# Altium PCB node24.PcbDoc (part 9 of 10) (continued)
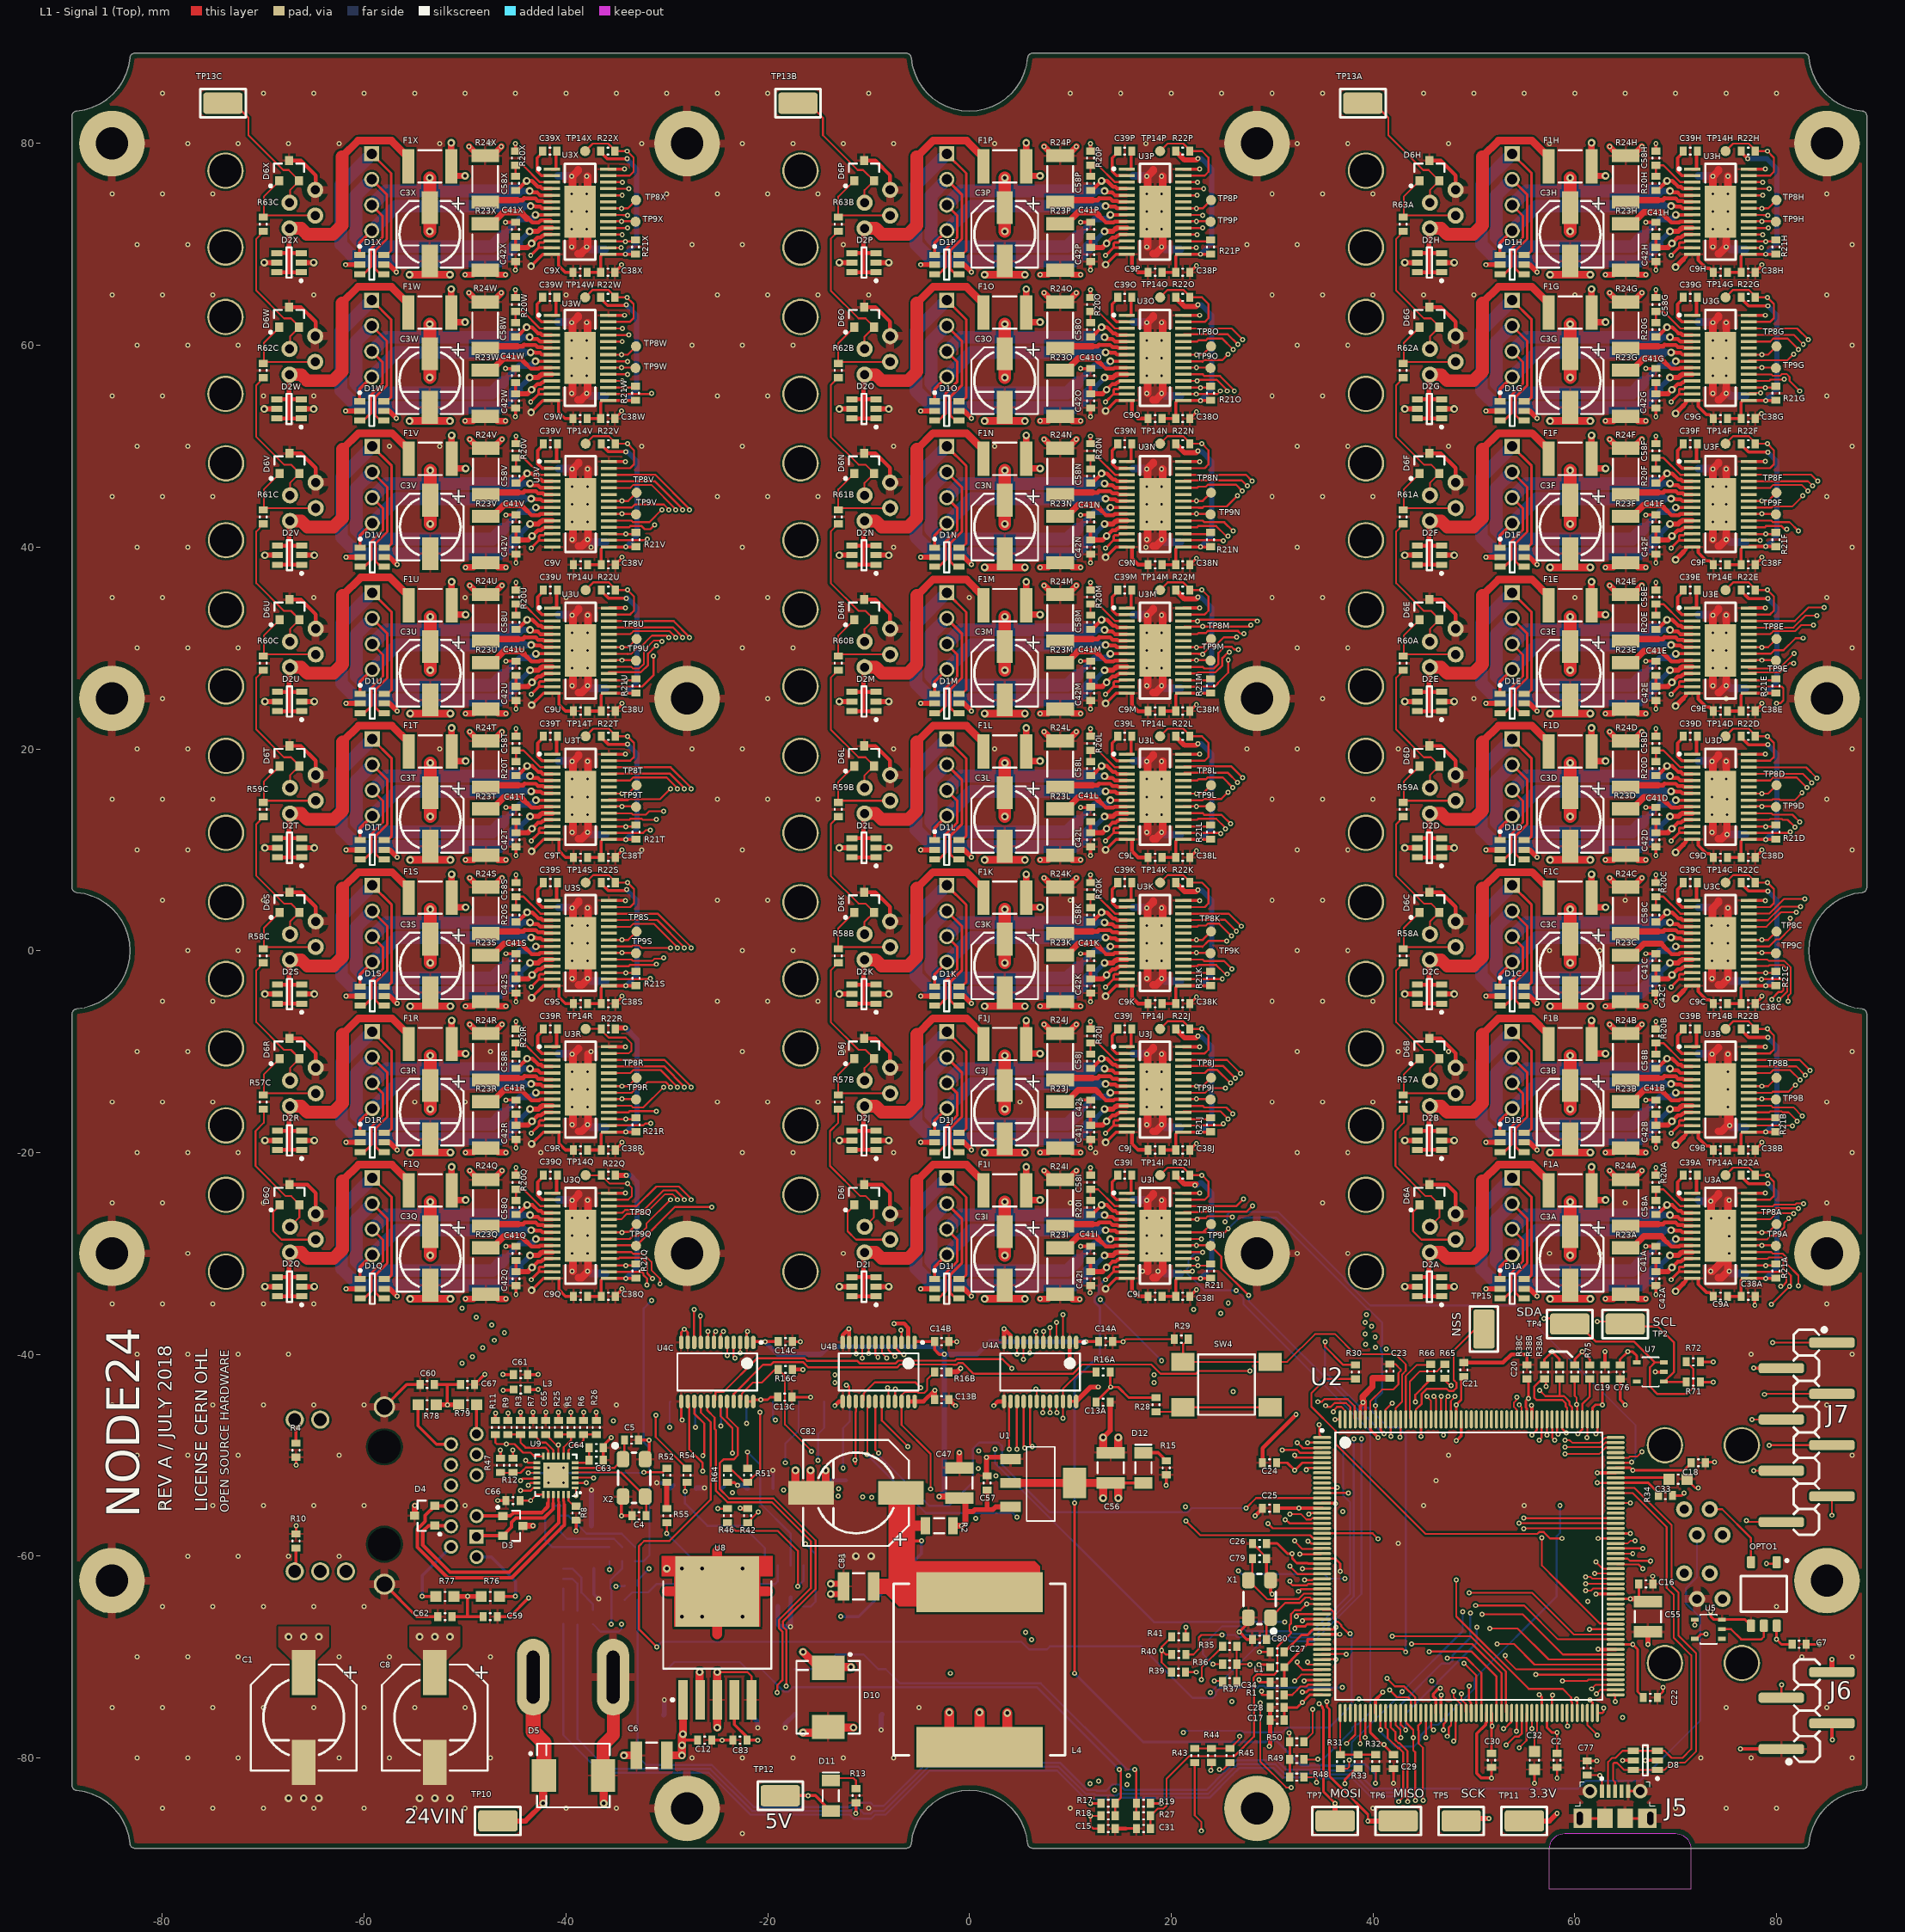
[diagram p0: L1 - Signal 1 (Top) view]
## Nets (pads, with @x,y where several pads share a name; then routed paths per layer and width w, separated by ;. In a path a pad name is that pad's centre, name@x,y a point inside that pad or via, vN(x,y) a via of type N, cw(c..) or ccw(c..) an arc to the next point about the centre after c; other vN are vias at no path point) (continued)
NetD6S_2: D6S.2 J1S.3 R59C.1 | length 14.5
  L1 - Signal 1 (Top) w0.18: R59C.1@-69.95,13.3 -70.7,12.55 -70.7,7.425 -67.95,4.675 -67.25,4.675 D6S.2@-66.42,3.845 ; J1S.3@-67.35,1.635 -67.35,2.87 D6S.2@-66.42,3.8
NetD6T_2: D6T.2 J1T.3 R60C.1 | length 14.5
  L1 - Signal 1 (Top) w0.18: R60C.1@-69.95,27.8 -70.7,27.05 -70.7,21.925 -67.95,19.175 -67.25,19.175 D6T.2@-66.42,18.345 ; J1T.3@-67.35,16.135 -67.35,17.37 D6T.2@-66.42,18.3
NetD6U_2: D6U.2 J1U.3 R61C.1 | length 14.5
  L1 - Signal 1 (Top) w0.18: R61C.1@-69.95,42.3 -70.7,41.55 -70.7,36.425 -67.95,33.675 -67.25,33.675 D6U.2@-66.42,32.845 ; J1U.3@-67.35,30.635 -67.35,31.87 D6U.2@-66.42,32.8
NetD6V_2: D6V.2 J1V.3 R62C.1 | length 14.5
  L1 - Signal 1 (Top) w0.18: R62C.1@-69.95,56.8 -70.7,56.05 -70.7,50.925 -67.95,48.175 -67.25,48.175 D6V.2@-66.42,47.345 ; J1V.3@-67.35,45.135 -67.35,46.37 D6V.2@-66.42,47.3
NetD6W_2: D6W.2 J1W.3 R63C.1 | length 14.5
  L1 - Signal 1 (Top) w0.18: R63C.1@-69.95,71.3 -70.7,70.55 -70.7,65.425 -67.95,62.675 -67.25,62.675 -66.42,61.845 -66.42,61.8 -67.35,60.87 J1W.3@-67.35,59.635
NetD6X_2: D6X.2 J1X.3 TP13C.1 | length 14.3
  L1 - Signal 1 (Top) w0.18: TP13C.1@-73.95,84 -72.925,84 -71.475,82.55 -71.475,80.825 -68.025,77.375 -67.495,77.375 -66.42,76.3 -67.35,75.37 J1X.3@-67.35,74.135
NetD11_2: D11.2 R13.1 | length 3.5
  L1 - Signal 1 (Top) w0.203: D11.2@-13.75,-82.25 -13.5,-82 -11.5,-82 -11.25,-82.25 R13.1@-11.25,-83.05
NetD12_2: D12.2 R15.2 | length 2.6
  L1 - Signal 1 (Top) w0.3: D12.2@17.25,-49.75 18.7,-49.75 R15.2@19.5,-50.55
NetJ2_1: J2.1 R42.1 | length 15.1
  L1 - Signal 1 (Top) w0.203: R42.1@-22,-56.7 -22,-56.671 v1(-20.955,-55.626)
  L2 - Signal 2 w0.203: v1(-20.955,-55.626) -17.78,-58.801 v1(-16.256,-58.801)
  L6 - Signal 4 (Bot) w0.203: J2.1@-16.46,-65 -15.75,-65 -15.25,-64.5 -15.25,-59.807 v1(-16.256,-58.801)
NetJ2_2: J2.2 R46.2 | length 13.9
  L1 - Signal 1 (Top) w0.203: R46.2@-24,-56.7 -23.2,-57.5 -19,-57.5 -17,-59.5 v1(-17,-63)
  L6 - Signal 4 (Bot) w0.203: v1(-17,-63) -16.46,-62.46 J2.2@-16.46,-60.936
NetJ2_4: J2.4 R51.2 | length 14.6
  L1 - Signal 1 (Top) w0.203: R51.2@-22,-51.3 v1(-22,-49.686)
  L6 - Signal 4 (Bot) w0.203: v1(-22,-49.686) -20.75,-50.936 -20.75,-54.75 -17.73,-57.77 J2.4@-17.73,-60.936
NetJ2_6: J2.6 R53.2 | length 17.5
  L6 - Signal 4 (Bot) w0.203: R53.2@-34.163,-64.327 -33.436,-63.6 -31.854,-63.6 -31.004,-62.75 -19.249,-62.75 -19,-62.501 J2.6@-19,-60.936
NetJ2_8: J2.8 R54.2 | length 13.6
  L1 - Signal 1 (Top) w0.203: v1(-28.194,-53.594) -28.194,-52.894 R54.2@-28,-52.7
  L6 - Signal 4 (Bot) w0.203: v1(-28.194,-53.594) -28.194,-54.786 -25.98,-57 -22.5,-57 -20.27,-59.23 J2.8@-20.27,-60.936
NetJ2_10: J2.10 R55.2 | length 11.1
  L1 - Signal 1 (Top) w0.203: v1(-30,-57.75) R55.2@-30,-56.7 R55.2@-29.972,-56.728
  L6 - Signal 4 (Bot) w0.203: v1(-30,-57.75) -27.5,-60.25 -21.792,-60.25 -21.54,-60.502 J2.10@-21.54,-60.936
NetJ4_2: J4.2 R76.2 | length 8
  L1 - Signal 1 (Top) w0.3: R76.2@-46.6,-64 v1(-45,-64)
  L6 - Signal 4 (Bot) w0.3: J4.2@-48.856,-60.096 -47.404,-60.096 -45,-62.5 v1(-45,-64)
NetJ4_5: J4.5 R77.2 | length 7.5
  L1 - Signal 1 (Top) w0.3: v1(-54.25,-64) R77.2@-52.9,-64
  L6 - Signal 4 (Bot) w0.3: v1(-54.25,-64) -54.25,-61.934 J4.5@-51.396,-59.08
NetJ4_8: J4.8 R78.2 | length 6.1
  L1 - Signal 1 (Top) w0.3: R78.2@-54.65,-45 -54.65,-47.1 -52.83,-48.92 J4.8@-51.396,-48.92
NetJ4_11: J4.11 R79.2 | length 2.9
  L1 - Signal 1 (Top) w0.3: J4.11@-48.856,-47.904 -48.85,-47.898 R79.2@-48.85,-45
NetJ4_14: J4.14 R4.2 | length 2.4
  L1 - Signal 1 (Top) w0.3: J4.14@-66.89,-46.482 -66.75,-46.622 R4.2@-66.75,-48.8
NetJ4_17: J4.17 R10.2 | length 2.4
  L1 - Signal 1 (Top) w0.3: J4.17@-66.908,-61.5 J4.17@-66.89,-61.518 -66.75,-61.378 R10.2@-66.75,-59.2
NetJ6_3: J6.3 R65.2 | length 59.3
  L1 - Signal 1 (Top) w0.2: R65.2@47.262,-42.712 47.653,-43.103 v1(47.75,-43.103) ; J6.3@80.48,-74.04 80.48,-72.77 v1(80.5,-72.75)
  L2 - Signal 2 w0.2: v1(47,-48) 51.462,-48 57.37,-53.908 57.37,-58.658 58.592,-59.88 62.16,-59.88 67.149,-64.87 71.212,-64.87 72.277,-65.935 72.279,-65.935 72.378,-66.034 73.072,-66.034 75.177,-68.139 77.584,-68.139 79.026,-69.581 79.026,-71.276 v1(80.5,-72.75) ; v1(47.75,-43.103) v1@47.75,-43
  L5 - Signal 3 w0.2: v1(47,-48) 46.736,-48 43.662,-44.925 43.662,-44.483 45.041,-43.103 v1(47.75,-43.103)
NetJ6_4: J6.4 R66.2 | length 61.3
  L1 - Signal 1 (Top) w0.2: v1(44.196,-44.704) 44.196,-44.028 45.621,-42.603 R66.2@45.621,-42.45
  L1 - Signal 1 (Top) w0.5: J6.4@85.5,-71.5 v1(85.5,-70.25)
  L2 - Signal 2 w0.2: v1(44.196,-44.704) 44.704,-44.704 46,-46 50,-46 57.75,-53.75 57.75,-58.5 58.75,-59.5 62.318,-59.5 67.307,-64.489 70.149,-64.489 71.638,-63 80.5,-63 85.5,-68 v1(85.5,-70.25)
NetJ9_2: J9.2 R1.1 R30.1 | length 104.5
  L1 - Signal 1 (Top) w0.2: v1(28.956,-73.406) 28.956,-73.713 28.993,-73.75 R1.1@29.8,-73.75 ; R30.1@38.25,-42.45 35.3,-42.45 33.9,-43.85 33.9,-45.2 36.3,-47.6 36.3,-48.901 45.208,-57.809 56.291,-57.809 56.479,-57.621 56.926,-57.621 57.556,-58.25 v1(58.75,-58.25)
  L2 - Signal 2 w0.2: v1(28.956,-73.406) 29.337,-73.406 30.734,-72.009 31.875,-72.009 32.029,-71.856 33.394,-71.856 33.801,-72.263 40.337,-72.263 41.099,-71.501 41.801,-71.501 42.746,-72.446 45.791,-72.446 v1(45.847,-72.39) v1@45.735,-72.39 ; v1(58.75,-58.25) 59.62,-59.12 62.475,-59.12 67.464,-64.109 69.991,-64.109 72.39,-61.71 J9.2@73.39,-61.71
  L5 - Signal 3 w0.2: v1(45.847,-72.39) 47.371,-72.39 47.853,-72.872 48.735,-72.872 49.296,-73.432 49.751,-73.432 50.54,-72.644 58.245,-72.644 58.626,-73.025 59.039,-73.025 59.335,-72.729 59.335,-72.169 59.319,-72.153 59.319,-72.019 58.75,-71.45 v1(58.75,-58.25)
NetOPTO1_5: OPTO1.5 U5.2 | length 5.8
  L1 - Signal 1 (Top) w0.2: U5.2@74.6,-67.25 75.5,-67.25 76.5,-68.25 78.5,-68.25 78.75,-68 OPTO1.5@78.75,-66.9
NetR8_1: R8.1 U9.24 | length 1.6
  L1 - Signal 1 (Top) w0.2: U9.24@-39.75,-53.9 -39.75,-54.5 -39.2,-55.05 R8.1@-39,-55.05
NetR17_1: R17.1 R18.2 SW2.1 SW2.2 | length 55.1
  L1 - Signal 1 (Top) w0.203: R18.2@14.45,-85.75 R17.1@14.45,-84.5 14.986,-83.964 14.986,-81.28 v1(14.859,-81.153)
  L6 - Signal 4 (Bot) w0.203: SW2.2@-30.325,-71.25 -30,-71.25 -29.25,-70.5 -22.75,-70.5 -22,-71.25 SW2.1@-21.675,-71.25 -20.575,-71.25 -18.391,-73.434 -17.939,-73.434 -17.505,-73 6.706,-73 v1(14.859,-81.153)
NetR19_1: R19.1 R27.2 SW3.1 SW3.2 | length 43.7
  L1 - Signal 1 (Top) w0.203: v1(16.383,-81.153) 16.55,-81.32 R27.2@16.55,-85.75
  L6 - Signal 4 (Bot) w0.203: SW3.2@-17.325,-71.2 -14.7,-71.2 -13.25,-69.75 -10.5,-69.75 -9.05,-71.2 SW3.1@-8.675,-71.2 -8.3,-71.2 -6.884,-72.616 7.08,-72.616 15.617,-81.153 v1(16.383,-81.153)
NetR28_1: R28.1 SW4.3 SW4.4 | length 11.5
  L1 - Signal 1 (Top) w0.18: R28.1@18.5,-45.7 20.725,-45.7 SW4.3@21.175,-45.25 SW4.4@29.825,-45.25
nRST: C31.2 R27.1 R52.1 U2.34 U9.15 | length 137.8
  L1 - Signal 1 (Top) w0.2: v1(-43.75,-51.75) U9.15@-42.9,-51.75 ; v1(-32.258,-51.689) -30.389,-51.689 R52.1@-30,-51.3 ; C31.2@17.95,-87 R27.1@17.95,-85.75 18.666,-85.034 19.221,-85.034 19.534,-84.721 19.534,-82.069 21.778,-79.826 26.271,-79.826 28.216,-77.881 28.216,-72.532 28.168,-72.484 28.168,-72.042 28.481,-71.729 28.923,-71.729 28.964,-71.77 30.19,-71.77 30.537,-71.423 30.537,-68.966 31.887,-67.617 31.887,-67.567 31.724,-67.404 31.724,-66.835 31.887,-66.672 31.887,-65.746 32.263,-65.37 32.801,-65.37 v1(33.421,-64.75) 34.88,-64.75 U2.34@34.95,-64.82
  L2 - Signal 2 w0.2: v1(5.55,-67.575) 7.262,-67.575 10.087,-64.75 v1(33.421,-64.75)
  L5 - Signal 3 w0.2: v1(-43.75,-51.75) -43.715,-51.784 -37.75,-51.784 -37.681,-51.716 -36.784,-51.716 -36.5,-52 -36.5,-56.038 -35.547,-56.991 -30.535,-56.991 -30.379,-56.835 -29.377,-56.835 -28.53,-57.682 -18.101,-57.682 -17.161,-56.742 -15.351,-56.742 -15.101,-56.991 -8.533,-56.991 -8.531,-56.989 -7.648,-56.989 2.582,-67.219 5.194,-67.219 v1(5.55,-67.575)
  L6 - Signal 4 (Bot) w0.2: v1(-43.75,-51.75) -43.715,-51.784 -37.54,-51.784 -37.471,-51.716 -37.029,-51.716 -36.994,-51.75 -32.319,-51.75 v1(-32.258,-51.689)
P3V3: C2.1 C7.1 C13A.1 C13B.1 C13C.1 C16.1 C17.1 C18.1 C19.1 C20.1 C21.1 C22.1 C23.1 C24.1 C25.1 C26.1 C27.1 C28.1 C29.1 C30.1 C55.1 C56.1 C65.2 C76.1 D12.1 J6.2 L1.1 L3.1 OPTO1.6 R3.2 R11.1 R16A.2 R16B.2 R16C.2 R17.2 R19.2 R25.2 R26.2 R28.2 R34.2 R38A.2 R38B.2 R38C.2 R42.2 R47.2 R71.2 R72.2 R75.2 TP11.1 U1.2 U1.4 U2.6 U2.15 U2.26 U2.39 U2.52 U2.59 U2.73 U2.83 U2.94 U2.103 U2.115 U2.124 U2.137 U2.150 U2.158 U2.171 U2.185 U2.203 U2.204 U4A.23 U4A.24 U4B.23 U4B.24 U4C.23 U4C.24 U5.5 U7.4 U9.9 | length 160.4
  L1 - Signal 1 (Top) w0.2: C65.2@-42,-47.95 -40.95,-49 v1(-40.75,-49) U9.9@-40.75,-50.1 ; U2.171@55.191,-46.391 U2.171@55.25,-46.45 ; 55.191,-44.559 55.374,-44.376 v1(55.425,-44.376)
  L1 - Signal 1 (Top) w0.25: U4C.23@-22.075,-44.675 U4C.24@-21.425,-44.675 -21.25,-44.5 v1(-20.701,-44.5) -20,-44.5 -19.75,-44.25 C13C.1@-19,-44.25 ; v1(12,-84.5) R17.2@13.05,-84.5 ; C13A.1@12.55,-44.75 12.55,-44.7 v1(14,-43.25) ; R16A.2@13.95,-41.75 13.95,-43.2 v1(14,-43.25) ; R19.2@17.95,-84.5 v1(19,-84.5) ; R28.2@18.5,-44.3 15.8,-44.3 14.75,-43.25 v1(14,-43.25) ; v1(28.702,-70.739) 29.54,-70.739 L1.1@29.801,-71 ; C26.1@29.45,-58.75 30.508,-58.75 31.508,-59.75 v1(32,-59.75) 32,-60.242 32.448,-60.691 33.5,-60.691 33.559,-60.75 U2.26@34.95,-60.75 ; C24.1@30.45,-50.75 31.5,-50.75 v1(32.25,-51.5) 33,-50.75 U2.6@34.95,-50.75 ; C17.1@31.2,-76.25 C28.1@31.2,-75 32.5,-75 v1(33,-74.5) 33.75,-73.75 U2.52@34.95,-73.75 ; C27.1@31.2,-69.5 31.24,-69.5 32.922,-67.818 33.528,-67.818 33.745,-67.601 33.745,-67.561 34.011,-67.295 34.051,-67.295 34.096,-67.25 U2.39@34.95,-67.25 36.255,-67.25 36.322,-67.183 v1(36.322,-67.056) ; U2.59@39.75,-75.55 39.75,-77.5 40.95,-78.7 v1(41.1,-78.7) 41.1,-78.741 C29.1@42.036,-79.677 ; U2.185@48.25,-46.45 v1(48.25,-45) 48.75,-44.5 C21.1@48.75,-42.45 ; C30.1@51.75,-79.55 51.75,-76.725 51.816,-76.791 v1(51.816,-76.835) ; 55.191,-44.559 55.166,-44.584 55.166,-45.282 55.25,-45.366 U2.171@55.25,-46.346 ; C20.1@55.25,-42.45 55.425,-42.625 v1(55.425,-44.376) ; R38C.2@57,-41.05 57,-40.5 v1(57.75,-39.75) 58.5,-40.5 R38B.2@58.5,-41.05 ; U2.94@57.25,-75.55 57.25,-77 57.75,-77.5 v1(58.25,-77.5) C2.1@58.25,-79.55 ; R38A.2@60,-41.05 60,-40.5 v1(60.75,-39.75) 61.5,-40.5 R75.2@61.5,-41.05 ; v1(61.513,-74.237) 61.513,-74.263 61.75,-74.5 U2.103@61.75,-75.55 ; U2.158@61.75,-46.45 61.75,-45.311 62.061,-45 v1(62.75,-45) 62.75,-42.7 C19.1@63,-42.45 ; U2.115@64.05,-68.75 v1(65.75,-68.75) 66.25,-69.25 66.25,-73.45 C22.1@66.8,-74 ; U2.124@64.05,-64.25 v1(65.5,-64.25) 65.75,-64.25 C55.1@66.35,-64.25 ; U2.137@64.05,-57.75 v1(65.5,-57.75) ; U2.150@64.05,-51.25 65.5,-51.25 v1(65.75,-51.5) 66.5,-51.5 ; C76.1@64.5,-41.05 64.5,-40.5 v1(65.25,-39.75) 65.75,-39.75 66.15,-40.15 U7.4@66.15,-40.8 ; C16.1@66.35,-62.75 C55.1@66.35,-64.25 ; C55.1@66.75,-64.25 C55.1@66.35,-64.25 ; C55.1@67.25,-64.5 66.5,-64.5 66.35,-64.35 C55.1@66.35,-64.25 ; U5.5@71.9,-68.2 72.05,-68.2 72.5,-67.75 v1(73,-67.75) ; R71.2@72.45,-42.75 v1(73.75,-42.75) ; R72.2@72.45,-40.75 v1(73.75,-40.75) ; OPTO1.6@80.02,-66.9 80.02,-68.23 v1(80,-68.25) 80.5,-68.75 C7.1@81.55,-68.75
  L1 - Signal 1 (Top) w0.254: 66.5,-51.5 70.8,-51.5 C18.1@71.3,-51 ; R34.2@69.7,-54 70.6,-54 v1(70.85,-53.75)
  L1 - Signal 1 (Top) w0.3: R11.1@-47,-46.55 -46.99,-46.54 v1(-46.99,-45.847) ; R47.2@-46.5,-50.3 v1(-46.5,-49.5) ; R3.2@-44.5,-46.55 v1(-44.5,-45.75) ; L3.1@-43.801,-43.5 v1(-42.75,-43.5) ; R25.2@-40.75,-46.55 v1(-40.75,-45.75) ; R26.2@-37,-46.55 v1(-37,-45.75) ; U4A.23@9.925,-44.675 U4A.24@10.575,-44.675 ; C56.1@14,-52.75 D12.1@17.25,-52.75
  L1 - Signal 1 (Top) w0.33: C25.1@30.45,-55.25 v1@32.7,-55.25 ; v1(32.677,-55.253) 32.697,-55.253 v1@32.7,-55.25 ; U2.15@34.95,-55.25 v1@32.7,-55.25 ; U2.204@38.75,-46.45 38.75,-45.15 39.25,-44.65 ; 39,-44.4 39.25,-44.65 ; U2.203@39.25,-46.45 39.25,-44.65 ; U2.73@46.75,-75.55 v1(46.75,-73.8) ; U2.83@51.75,-75.55 51.75,-76.725 51.75,-76.769 v1(51.816,-76.835) ; J6.2@85.5,-76.58 85.5,-78.15 v1(85.55,-78.2)
  L1 - Signal 1 (Top) w0.4: v1(-22.733,-55.245) -22.678,-55.3 R42.2@-22,-55.3 ; R16C.2@-17.55,-41.5 -16.539,-41.5 v1(-16.51,-41.529) ; U4B.23@-6.075,-44.675 U4B.24@-5.425,-44.675 -4.543,-44.675 v1@-3.45,-43.582
  L1 - Signal 1 (Top) w0.5: C13B.1@-3.45,-44.5 v1@-3.45,-43.582 ; R16B.2@-2.05,-41.75 -1.237,-41.75 v1(-0.889,-41.402) ; U4A.24@10.575,-44.675 12,-43.25 v1(12.75,-43.25) ; TP11.1@55,-86.25 57.5,-86.25 v1(58.25,-85.5)
  L1 - Signal 1 (Top) w0.635: 39,-44.4 39,-44.175 39.95,-43.225 39.95,-42.375 C23.1@41.689,-42.375
  L1 - Signal 1 (Top) w0.8: U1.2@4.075,-52.75 U1.4@10.425,-52.75 C56.1@14,-52.75 ; v2(13.25,-54.25) C56.1@13.25,-53.25 ; v2(14.75,-54.25) C56.1@14.75,-53.25
  other v1: -3.429,-43.561
  other v3: 39,-44.75
P3V3-L-ETH: C59.2 C60.2 C61.1 C62.2 C66.2 C67.2 L3.2 R76.1 R77.1 R78.1 R79.1 U9.1 U9.19 | length 24.9
  L1 - Signal 1 (Top) w0.2: C66.2@-44.55,-54.5 v1(-43.5,-54.5) -42.9,-53.9 U9.19@-42.25,-53.9 ; v1@-39.1,-53.9 v1(-39,-54) -39,-53.35 U9.1@-39.1,-53.25
  L1 - Signal 1 (Top) w0.3: C60.2@-53.05,-43 -51.75,-43 ; v1(-51.75,-45) -51.75,-43 ; C62.2@-51.3,-66 -49.75,-66 ; C67.2@-50.45,-43 -51.75,-43 ; v1(-49.75,-64) -49.75,-66 ; C59.2@-48.2,-66 -49.25,-66 -49.75,-66 ; v1(-46.25,-42) C61.1@-45.2,-42 ; v1(-46.228,-43.561) -45.26,-43.561 L3.2@-45.198,-43.5
  L1 - Signal 1 (Top) w0.5: R78.1@-52.85,-45 v1(-51.75,-45) R79.1@-50.65,-45 ; R77.1@-51.1,-64 v1(-49.75,-64) R76.1@-48.4,-64
  L5 - Signal 3 w0.3: v1(-43.5,-54.5) -39.5,-54.5 v1(-39,-54)
P5V0: C14A.1 C14B.1 C14C.1 C47.1 C57.1 R2.2 U1.3 U4A.1 U4B.1 U4C.1 | length 69.1
  L1 - Signal 1 (Top) w0.3: U4C.1@-21.425,-38.825 -21.35,-38.75 v1(-20.25,-38.75) C14C.1@-18.95,-38.75 ; U4B.1@-5.425,-38.825 -5.35,-38.75 C14B.1@-3.45,-38.75 -3.45,-39.55 -3,-40 v1(-2.5,-40) ; U4A.1@10.575,-38.825 10.65,-38.75 v1(11.533,-38.75) C14A.1@12.8,-38.75
  L1 - Signal 1 (Top) w0.5: C47.1@-1,-54.25 C47.1@-0.25,-54.25 ; -0.4,-55.6 0.328,-55.6 0.528,-55.4 1.75,-55.4 ; C57.1@1.75,-53.45 1.75,-55.4 ; U1.3@4.075,-55.112 2.6,-55.112 2.312,-55.4 1.75,-55.4
  L1 - Signal 1 (Top) w0.6: v1(-3,-54.1) -1.15,-54.1 C47.1@-1,-54.25 ; R2.2@-1.65,-57 v1(-0.8,-57) -0.7,-57 -0.4,-56.7 -0.4,-55.6 -0.4,-54.85
  L6 - Signal 4 (Bot) w0.5: v1(-20.25,-38.75) -19,-40 -14.75,-40 -13.994,-39.244 -9.699,-39.244 -9.693,-39.25 -3.25,-39.25 v1(-2.5,-40) ; v1(-3,-54.1) -2.5,-53.6 v1(-2.5,-40) ; v1(11.533,-38.75) 2,-38.75 0.75,-40 v1(-2.5,-40)
P24V-LEDA: D2A.1 D2A.3 D2A.4 D2A.6 F1A.1 J1A.1 | length 30.6
  L1 - Signal 1 (Top) w0.381: D2A.6@44.4,-34.25 45.55,-34.25 ; D2A.4@44.4,-32.35 45.55,-32.35 46.771,-32.35 46.8,-32.379 D2A.3@46.8,-32.35 ; 45.55,-32.45 45.55,-34.25 ; D2A.1@46.8,-34.25 45.55,-34.25
  L1 - Signal 1 (Top) w0.457: 45.55,-32.45 45.55,-32.35 45.55,-30.005 J1A.1@45.65,-29.905
  L1 - Signal 1 (Top) w0.762: 50.85,-22.8 52.441,-21.209 55.759,-21.209 57.425,-22.875 F1A.1@57.425,-23.75
  L1 - Signal 1 (Top) w1.27: J1A.1@45.65,-29.905 46.755,-29.905 47.35,-30.5 49.95,-30.5 50.85,-29.6 50.85,-22.8
P24V-LEDB: D2B.1 D2B.3 D2B.4 D2B.6 F1B.1 J1B.1 | length 30.6
  L1 - Signal 1 (Top) w0.381: D2B.6@44.4,-19.75 45.55,-19.75 ; D2B.4@44.4,-17.85 45.55,-17.85 46.771,-17.85 46.8,-17.879 D2B.3@46.8,-17.85 ; 45.55,-17.95 45.55,-19.75 ; D2B.1@46.8,-19.75 45.55,-19.75
  L1 - Signal 1 (Top) w0.457: 45.55,-17.95 45.55,-17.85 45.55,-15.505 J1B.1@45.65,-15.405
  L1 - Signal 1 (Top) w0.762: 50.85,-8.3 52.441,-6.709 55.759,-6.709 57.425,-8.375 F1B.1@57.425,-9.25
  L1 - Signal 1 (Top) w1.27: J1B.1@45.65,-15.405 46.755,-15.405 47.35,-16 49.95,-16 50.85,-15.1 50.85,-8.3
P24V-LEDC: D2C.1 D2C.3 D2C.4 D2C.6 F1C.1 J1C.1 | length 30.6
  L1 - Signal 1 (Top) w0.381: D2C.6@44.4,-5.25 45.55,-5.25 ; D2C.4@44.4,-3.35 45.55,-3.35 46.771,-3.35 46.8,-3.379 D2C.3@46.8,-3.35 ; 45.55,-3.45 45.55,-5.25 ; D2C.1@46.8,-5.25 45.55,-5.25
  L1 - Signal 1 (Top) w0.457: 45.55,-3.45 45.55,-3.35 45.55,-1.005 J1C.1@45.65,-0.905
  L1 - Signal 1 (Top) w0.762: 50.85,6.2 52.441,7.791 55.759,7.791 57.425,6.125 F1C.1@57.425,5.25
  L1 - Signal 1 (Top) w1.27: J1C.1@45.65,-0.905 46.755,-0.905 47.35,-1.5 49.95,-1.5 50.85,-0.6 50.85,6.2
P24V-LEDD: D2D.1 D2D.3 D2D.4 D2D.6 F1D.1 J1D.1 | length 30.6
  L1 - Signal 1 (Top) w0.381: D2D.6@44.4,9.25 45.55,9.25 ; D2D.4@44.4,11.15 45.55,11.15 46.771,11.15 46.8,11.121 D2D.3@46.8,11.15 ; 45.55,11.05 45.55,9.25 ; D2D.1@46.8,9.25 45.55,9.25
  L1 - Signal 1 (Top) w0.457: 45.55,11.05 45.55,11.15 45.55,13.495 J1D.1@45.65,13.595
  L1 - Signal 1 (Top) w0.762: 50.85,20.7 52.441,22.291 55.759,22.291 57.425,20.625 F1D.1@57.425,19.75
  L1 - Signal 1 (Top) w1.27: J1D.1@45.65,13.595 46.755,13.595 47.35,13 49.95,13 50.85,13.9 50.85,20.7
P24V-LEDE: D2E.1 D2E.3 D2E.4 D2E.6 F1E.1 J1E.1 | length 30.6
  L1 - Signal 1 (Top) w0.381: D2E.6@44.4,23.75 45.55,23.75 ; D2E.4@44.4,25.65 45.55,25.65 46.771,25.65 46.8,25.621 D2E.3@46.8,25.65 ; 45.55,25.55 45.55,23.75 ; D2E.1@46.8,23.75 45.55,23.75
  L1 - Signal 1 (Top) w0.457: 45.55,25.55 45.55,25.65 45.55,27.995 J1E.1@45.65,28.095
  L1 - Signal 1 (Top) w0.762: 50.85,35.2 52.441,36.791 55.759,36.791 57.425,35.125 F1E.1@57.425,34.25
  L1 - Signal 1 (Top) w1.27: J1E.1@45.65,28.095 46.755,28.095 47.35,27.5 49.95,27.5 50.85,28.4 50.85,35.2
P24V-LEDF: D2F.1 D2F.3 D2F.4 D2F.6 F1F.1 J1F.1 | length 30.6
  L1 - Signal 1 (Top) w0.381: D2F.6@44.4,38.25 45.55,38.25 ; D2F.4@44.4,40.15 45.55,40.15 46.771,40.15 46.8,40.121 D2F.3@46.8,40.15 ; 45.55,40.05 45.55,38.25 ; D2F.1@46.8,38.25 45.55,38.25
  L1 - Signal 1 (Top) w0.457: 45.55,40.05 45.55,40.15 45.55,42.495 J1F.1@45.65,42.595
  L1 - Signal 1 (Top) w0.762: 50.85,49.7 52.441,51.291 55.759,51.291 57.425,49.625 F1F.1@57.425,48.75
  L1 - Signal 1 (Top) w1.27: J1F.1@45.65,42.595 46.755,42.595 47.35,42 49.95,42 50.85,42.9 50.85,49.7
P24V-LEDG: D2G.1 D2G.3 D2G.4 D2G.6 F1G.1 J1G.1 | length 30.6
  L1 - Signal 1 (Top) w0.381: D2G.6@44.4,52.75 45.55,52.75 ; D2G.4@44.4,54.65 45.55,54.65 46.771,54.65 46.8,54.621 D2G.3@46.8,54.65 ; 45.55,54.55 45.55,52.75 ; D2G.1@46.8,52.75 45.55,52.75
  L1 - Signal 1 (Top) w0.457: 45.55,54.55 45.55,54.65 45.55,56.995 J1G.1@45.65,57.095
  L1 - Signal 1 (Top) w0.762: 50.85,64.2 52.441,65.791 55.759,65.791 57.425,64.125 F1G.1@57.425,63.25
  L1 - Signal 1 (Top) w1.27: J1G.1@45.65,57.095 46.755,57.095 47.35,56.5 49.95,56.5 50.85,57.4 50.85,64.2
P24V-LEDH: D2H.1 D2H.3 D2H.4 D2H.6 F1H.1 J1H.1 | length 30.6
  L1 - Signal 1 (Top) w0.381: D2H.6@44.4,67.25 45.55,67.25 ; D2H.4@44.4,69.15 45.55,69.15 46.771,69.15 46.8,69.121 D2H.3@46.8,69.15 ; 45.55,69.05 45.55,67.25 ; D2H.1@46.8,67.25 45.55,67.25
  L1 - Signal 1 (Top) w0.457: 45.55,69.05 45.55,69.15 45.55,71.495 J1H.1@45.65,71.595
  L1 - Signal 1 (Top) w0.762: 50.85,78.7 52.441,80.291 55.759,80.291 57.425,78.625 F1H.1@57.425,77.75
  L1 - Signal 1 (Top) w1.27: J1H.1@45.65,71.595 46.755,71.595 47.35,71 49.95,71 50.85,71.9 50.85,78.7
P24V-LEDI: D2I.1 D2I.3 D2I.4 D2I.6 F1I.1 J1I.1 | length 30.6
  L1 - Signal 1 (Top) w0.381: D2I.6@-11.65,-34.25 -10.5,-34.25 ; D2I.4@-11.65,-32.35 -10.5,-32.35 -9.279,-32.35 -9.25,-32.379 D2I.3@-9.25,-32.35 ; -10.5,-32.45 -10.5,-34.25 ; D2I.1@-9.25,-34.25 -10.5,-34.25
  L1 - Signal 1 (Top) w0.457: -10.5,-32.45 -10.5,-32.35 -10.5,-30.005 J1I.1@-10.4,-29.905
  L1 - Signal 1 (Top) w0.762: -5.2,-22.8 -3.609,-21.209 -0.291,-21.209 1.375,-22.875 F1I.1@1.375,-23.75
  L1 - Signal 1 (Top) w1.27: J1I.1@-10.4,-29.905 -9.295,-29.905 -8.7,-30.5 -6.1,-30.5 -5.2,-29.6 -5.2,-22.8
P24V-LEDJ: D2J.1 D2J.3 D2J.4 D2J.6 F1J.1 J1J.1 | length 30.6
  L1 - Signal 1 (Top) w0.381: D2J.6@-11.65,-19.75 -10.5,-19.75 ; D2J.4@-11.65,-17.85 -10.5,-17.85 -9.279,-17.85 -9.25,-17.879 D2J.3@-9.25,-17.85 ; -10.5,-17.95 -10.5,-19.75 ; D2J.1@-9.25,-19.75 -10.5,-19.75
  L1 - Signal 1 (Top) w0.457: -10.5,-17.95 -10.5,-17.85 -10.5,-15.505 J1J.1@-10.4,-15.405
  L1 - Signal 1 (Top) w0.762: -5.2,-8.3 -3.609,-6.709 -0.291,-6.709 1.375,-8.375 F1J.1@1.375,-9.25
  L1 - Signal 1 (Top) w1.27: J1J.1@-10.4,-15.405 -9.295,-15.405 -8.7,-16 -6.1,-16 -5.2,-15.1 -5.2,-8.3
P24V-LEDK: D2K.1 D2K.3 D2K.4 D2K.6 F1K.1 J1K.1 | length 30.6
  L1 - Signal 1 (Top) w0.381: D2K.6@-11.65,-5.25 -10.5,-5.25 ; D2K.4@-11.65,-3.35 -10.5,-3.35 -9.279,-3.35 -9.25,-3.379 D2K.3@-9.25,-3.35 ; -10.5,-3.45 -10.5,-5.25 ; D2K.1@-9.25,-5.25 -10.5,-5.25
  L1 - Signal 1 (Top) w0.457: -10.5,-3.45 -10.5,-3.35 -10.5,-1.005 J1K.1@-10.4,-0.905
  L1 - Signal 1 (Top) w0.762: -5.2,6.2 -3.609,7.791 -0.291,7.791 1.375,6.125 F1K.1@1.375,5.25
  L1 - Signal 1 (Top) w1.27: J1K.1@-10.4,-0.905 -9.295,-0.905 -8.7,-1.5 -6.1,-1.5 -5.2,-0.6 -5.2,6.2
P24V-LEDL: D2L.1 D2L.3 D2L.4 D2L.6 F1L.1 J1L.1 | length 30.6
  L1 - Signal 1 (Top) w0.381: D2L.6@-11.65,9.25 -10.5,9.25 ; D2L.4@-11.65,11.15 -10.5,11.15 -9.279,11.15 -9.25,11.121 D2L.3@-9.25,11.15 ; -10.5,11.05 -10.5,9.25 ; D2L.1@-9.25,9.25 -10.5,9.25
  L1 - Signal 1 (Top) w0.457: -10.5,11.05 -10.5,11.15 -10.5,13.495 J1L.1@-10.4,13.595
  L1 - Signal 1 (Top) w0.762: -5.2,20.7 -3.609,22.291 -0.291,22.291 1.375,20.625 F1L.1@1.375,19.75
  L1 - Signal 1 (Top) w1.27: J1L.1@-10.4,13.595 -9.295,13.595 -8.7,13 -6.1,13 -5.2,13.9 -5.2,20.7
P24V-LEDM: D2M.1 D2M.3 D2M.4 D2M.6 F1M.1 J1M.1 | length 30.6
  L1 - Signal 1 (Top) w0.381: D2M.6@-11.65,23.75 -10.5,23.75 ; D2M.4@-11.65,25.65 -10.5,25.65 -9.279,25.65 -9.25,25.621 D2M.3@-9.25,25.65 ; -10.5,25.55 -10.5,23.75 ; D2M.1@-9.25,23.75 -10.5,23.75
  L1 - Signal 1 (Top) w0.457: -10.5,25.55 -10.5,25.65 -10.5,27.995 J1M.1@-10.4,28.095
  L1 - Signal 1 (Top) w0.762: -5.2,35.2 -3.609,36.791 -0.291,36.791 1.375,35.125 F1M.1@1.375,34.25
  L1 - Signal 1 (Top) w1.27: J1M.1@-10.4,28.095 -9.295,28.095 -8.7,27.5 -6.1,27.5 -5.2,28.4 -5.2,35.2
P24V-LEDN: D2N.1 D2N.3 D2N.4 D2N.6 F1N.1 J1N.1 | length 30.6
  L1 - Signal 1 (Top) w0.381: D2N.6@-11.65,38.25 -10.5,38.25 ; D2N.4@-11.65,40.15 -10.5,40.15 -9.279,40.15 -9.25,40.121 D2N.3@-9.25,40.15 ; -10.5,40.05 -10.5,38.25 ; D2N.1@-9.25,38.25 -10.5,38.25
  L1 - Signal 1 (Top) w0.457: -10.5,40.05 -10.5,40.15 -10.5,42.495 J1N.1@-10.4,42.595
  L1 - Signal 1 (Top) w0.762: -5.2,49.7 -3.609,51.291 -0.291,51.291 1.375,49.625 F1N.1@1.375,48.75
  L1 - Signal 1 (Top) w1.27: J1N.1@-10.4,42.595 -9.295,42.595 -8.7,42 -6.1,42 -5.2,42.9 -5.2,49.7
P24V-LEDO: D2O.1 D2O.3 D2O.4 D2O.6 F1O.1 J1O.1 | length 30.6
  L1 - Signal 1 (Top) w0.381: D2O.6@-11.65,52.75 -10.5,52.75 ; D2O.4@-11.65,54.65 -10.5,54.65 -9.279,54.65 -9.25,54.621 D2O.3@-9.25,54.65 ; -10.5,54.55 -10.5,52.75 ; D2O.1@-9.25,52.75 -10.5,52.75
  L1 - Signal 1 (Top) w0.457: -10.5,54.55 -10.5,54.65 -10.5,56.995 J1O.1@-10.4,57.095
  L1 - Signal 1 (Top) w0.762: -5.2,64.2 -3.609,65.791 -0.291,65.791 1.375,64.125 F1O.1@1.375,63.25
  L1 - Signal 1 (Top) w1.27: J1O.1@-10.4,57.095 -9.295,57.095 -8.7,56.5 -6.1,56.5 -5.2,57.4 -5.2,64.2
P24V-LEDP: D2P.1 D2P.3 D2P.4 D2P.6 F1P.1 J1P.1 | length 30.6
  L1 - Signal 1 (Top) w0.381: D2P.6@-11.65,67.25 -10.5,67.25 ; D2P.4@-11.65,69.15 -10.5,69.15 -9.279,69.15 -9.25,69.121 D2P.3@-9.25,69.15 ; -10.5,69.05 -10.5,67.25 ; D2P.1@-9.25,67.25 -10.5,67.25
  L1 - Signal 1 (Top) w0.457: -10.5,69.05 -10.5,69.15 -10.5,71.495 J1P.1@-10.4,71.595
  L1 - Signal 1 (Top) w0.762: -5.2,78.7 -3.609,80.291 -0.291,80.291 1.375,78.625 F1P.1@1.375,77.75
  L1 - Signal 1 (Top) w1.27: J1P.1@-10.4,71.595 -9.295,71.595 -8.7,71 -6.1,71 -5.2,71.9 -5.2,78.7
P24V-LEDQ: D2Q.1 D2Q.3 D2Q.4 D2Q.6 F1Q.1 J1Q.1 | length 30.6
  L1 - Signal 1 (Top) w0.381: D2Q.6@-68.6,-34.25 -67.45,-34.25 ; D2Q.4@-68.6,-32.35 -67.45,-32.35 -66.229,-32.35 -66.2,-32.379 D2Q.3@-66.2,-32.35 ; -67.45,-32.45 -67.45,-34.25 ; D2Q.1@-66.2,-34.25 -67.45,-34.25
  L1 - Signal 1 (Top) w0.457: -67.45,-32.45 -67.45,-32.35 -67.45,-30.005 J1Q.1@-67.35,-29.905
  L1 - Signal 1 (Top) w0.762: -62.15,-22.8 -60.559,-21.209 -57.241,-21.209 -55.575,-22.875 F1Q.1@-55.575,-23.75
  L1 - Signal 1 (Top) w1.27: J1Q.1@-67.35,-29.905 -66.245,-29.905 -65.65,-30.5 -63.05,-30.5 -62.15,-29.6 -62.15,-22.8
P24V-LEDR: D2R.1 D2R.3 D2R.4 D2R.6 F1R.1 J1R.1 | length 30.6
  L1 - Signal 1 (Top) w0.381: D2R.6@-68.6,-19.75 -67.45,-19.75 ; D2R.4@-68.6,-17.85 -67.45,-17.85 -66.229,-17.85 -66.2,-17.879 D2R.3@-66.2,-17.85 ; -67.45,-17.95 -67.45,-19.75 ; D2R.1@-66.2,-19.75 -67.45,-19.75
  L1 - Signal 1 (Top) w0.457: -67.45,-17.95 -67.45,-17.85 -67.45,-15.505 J1R.1@-67.35,-15.405
  L1 - Signal 1 (Top) w0.762: -62.15,-8.3 -60.559,-6.709 -57.241,-6.709 -55.575,-8.375 F1R.1@-55.575,-9.25
  L1 - Signal 1 (Top) w1.27: J1R.1@-67.35,-15.405 -66.245,-15.405 -65.65,-16 -63.05,-16 -62.15,-15.1 -62.15,-8.3
P24V-LEDS: D2S.1 D2S.3 D2S.4 D2S.6 F1S.1 J1S.1 | length 30.6
  L1 - Signal 1 (Top) w0.381: D2S.6@-68.6,-5.25 -67.45,-5.25 ; D2S.4@-68.6,-3.35 -67.45,-3.35 -66.229,-3.35 -66.2,-3.379 D2S.3@-66.2,-3.35 ; -67.45,-3.45 -67.45,-5.25 ; D2S.1@-66.2,-5.25 -67.45,-5.25
  L1 - Signal 1 (Top) w0.457: -67.45,-3.45 -67.45,-3.35 -67.45,-1.005 J1S.1@-67.35,-0.905
  L1 - Signal 1 (Top) w0.762: -62.15,6.2 -60.559,7.791 -57.241,7.791 -55.575,6.125 F1S.1@-55.575,5.25
  L1 - Signal 1 (Top) w1.27: J1S.1@-67.35,-0.905 -66.245,-0.905 -65.65,-1.5 -63.05,-1.5 -62.15,-0.6 -62.15,6.2
P24V-LEDT: D2T.1 D2T.3 D2T.4 D2T.6 F1T.1 J1T.1 | length 30.6
  L1 - Signal 1 (Top) w0.381: D2T.6@-68.6,9.25 -67.45,9.25 ; D2T.4@-68.6,11.15 -67.45,11.15 -66.229,11.15 -66.2,11.121 D2T.3@-66.2,11.15 ; -67.45,11.05 -67.45,9.25 ; D2T.1@-66.2,9.25 -67.45,9.25
  L1 - Signal 1 (Top) w0.457: -67.45,11.05 -67.45,11.15 -67.45,13.495 J1T.1@-67.35,13.595
  L1 - Signal 1 (Top) w0.762: -62.15,20.7 -60.559,22.291 -57.241,22.291 -55.575,20.625 F1T.1@-55.575,19.75
  L1 - Signal 1 (Top) w1.27: J1T.1@-67.35,13.595 -66.245,13.595 -65.65,13 -63.05,13 -62.15,13.9 -62.15,20.7
P24V-LEDU: D2U.1 D2U.3 D2U.4 D2U.6 F1U.1 J1U.1 | length 30.8
  L1 - Signal 1 (Top) w0.381: D2U.6@-68.6,23.75 -67.45,23.75 ; D2U.4@-68.6,25.65 -67.45,25.65 -66.229,25.65 -66.2,25.621 D2U.3@-66.2,25.65 ; -67.45,25.55 -67.45,23.75 ; D2U.1@-66.2,23.75 -67.45,23.75
  L1 - Signal 1 (Top) w0.457: -67.45,25.55 -67.45,25.65 -67.45,27.995 J1U.1@-67.35,28.095
  L1 - Signal 1 (Top) w0.762: -62.15,35.2 -60.35,37 -57.45,37 -55.575,35.125 F1U.1@-55.575,34.25
  L1 - Signal 1 (Top) w1.27: J1U.1@-67.35,28.095 -66.245,28.095 -65.65,27.5 -63.05,27.5 -62.15,28.4 -62.15,35.2
P24V-LEDV: D2V.1 D2V.3 D2V.4 D2V.6 F1V.1 J1V.1 | length 30.6
  L1 - Signal 1 (Top) w0.381: D2V.6@-68.6,38.25 -67.45,38.25 ; D2V.4@-68.6,40.15 -67.45,40.15 -66.229,40.15 -66.2,40.121 D2V.3@-66.2,40.15 ; -67.45,40.05 -67.45,38.25 ; D2V.1@-66.2,38.25 -67.45,38.25
  L1 - Signal 1 (Top) w0.457: -67.45,40.05 -67.45,40.15 -67.45,42.495 J1V.1@-67.35,42.595
  L1 - Signal 1 (Top) w0.762: -62.15,49.7 -60.559,51.291 -57.241,51.291 -55.575,49.625 F1V.1@-55.575,48.75
  L1 - Signal 1 (Top) w1.27: J1V.1@-67.35,42.595 -66.245,42.595 -65.65,42 -63.05,42 -62.15,42.9 -62.15,49.7